# KiCad board IchnaeaV2.kicad_pcb (continued)
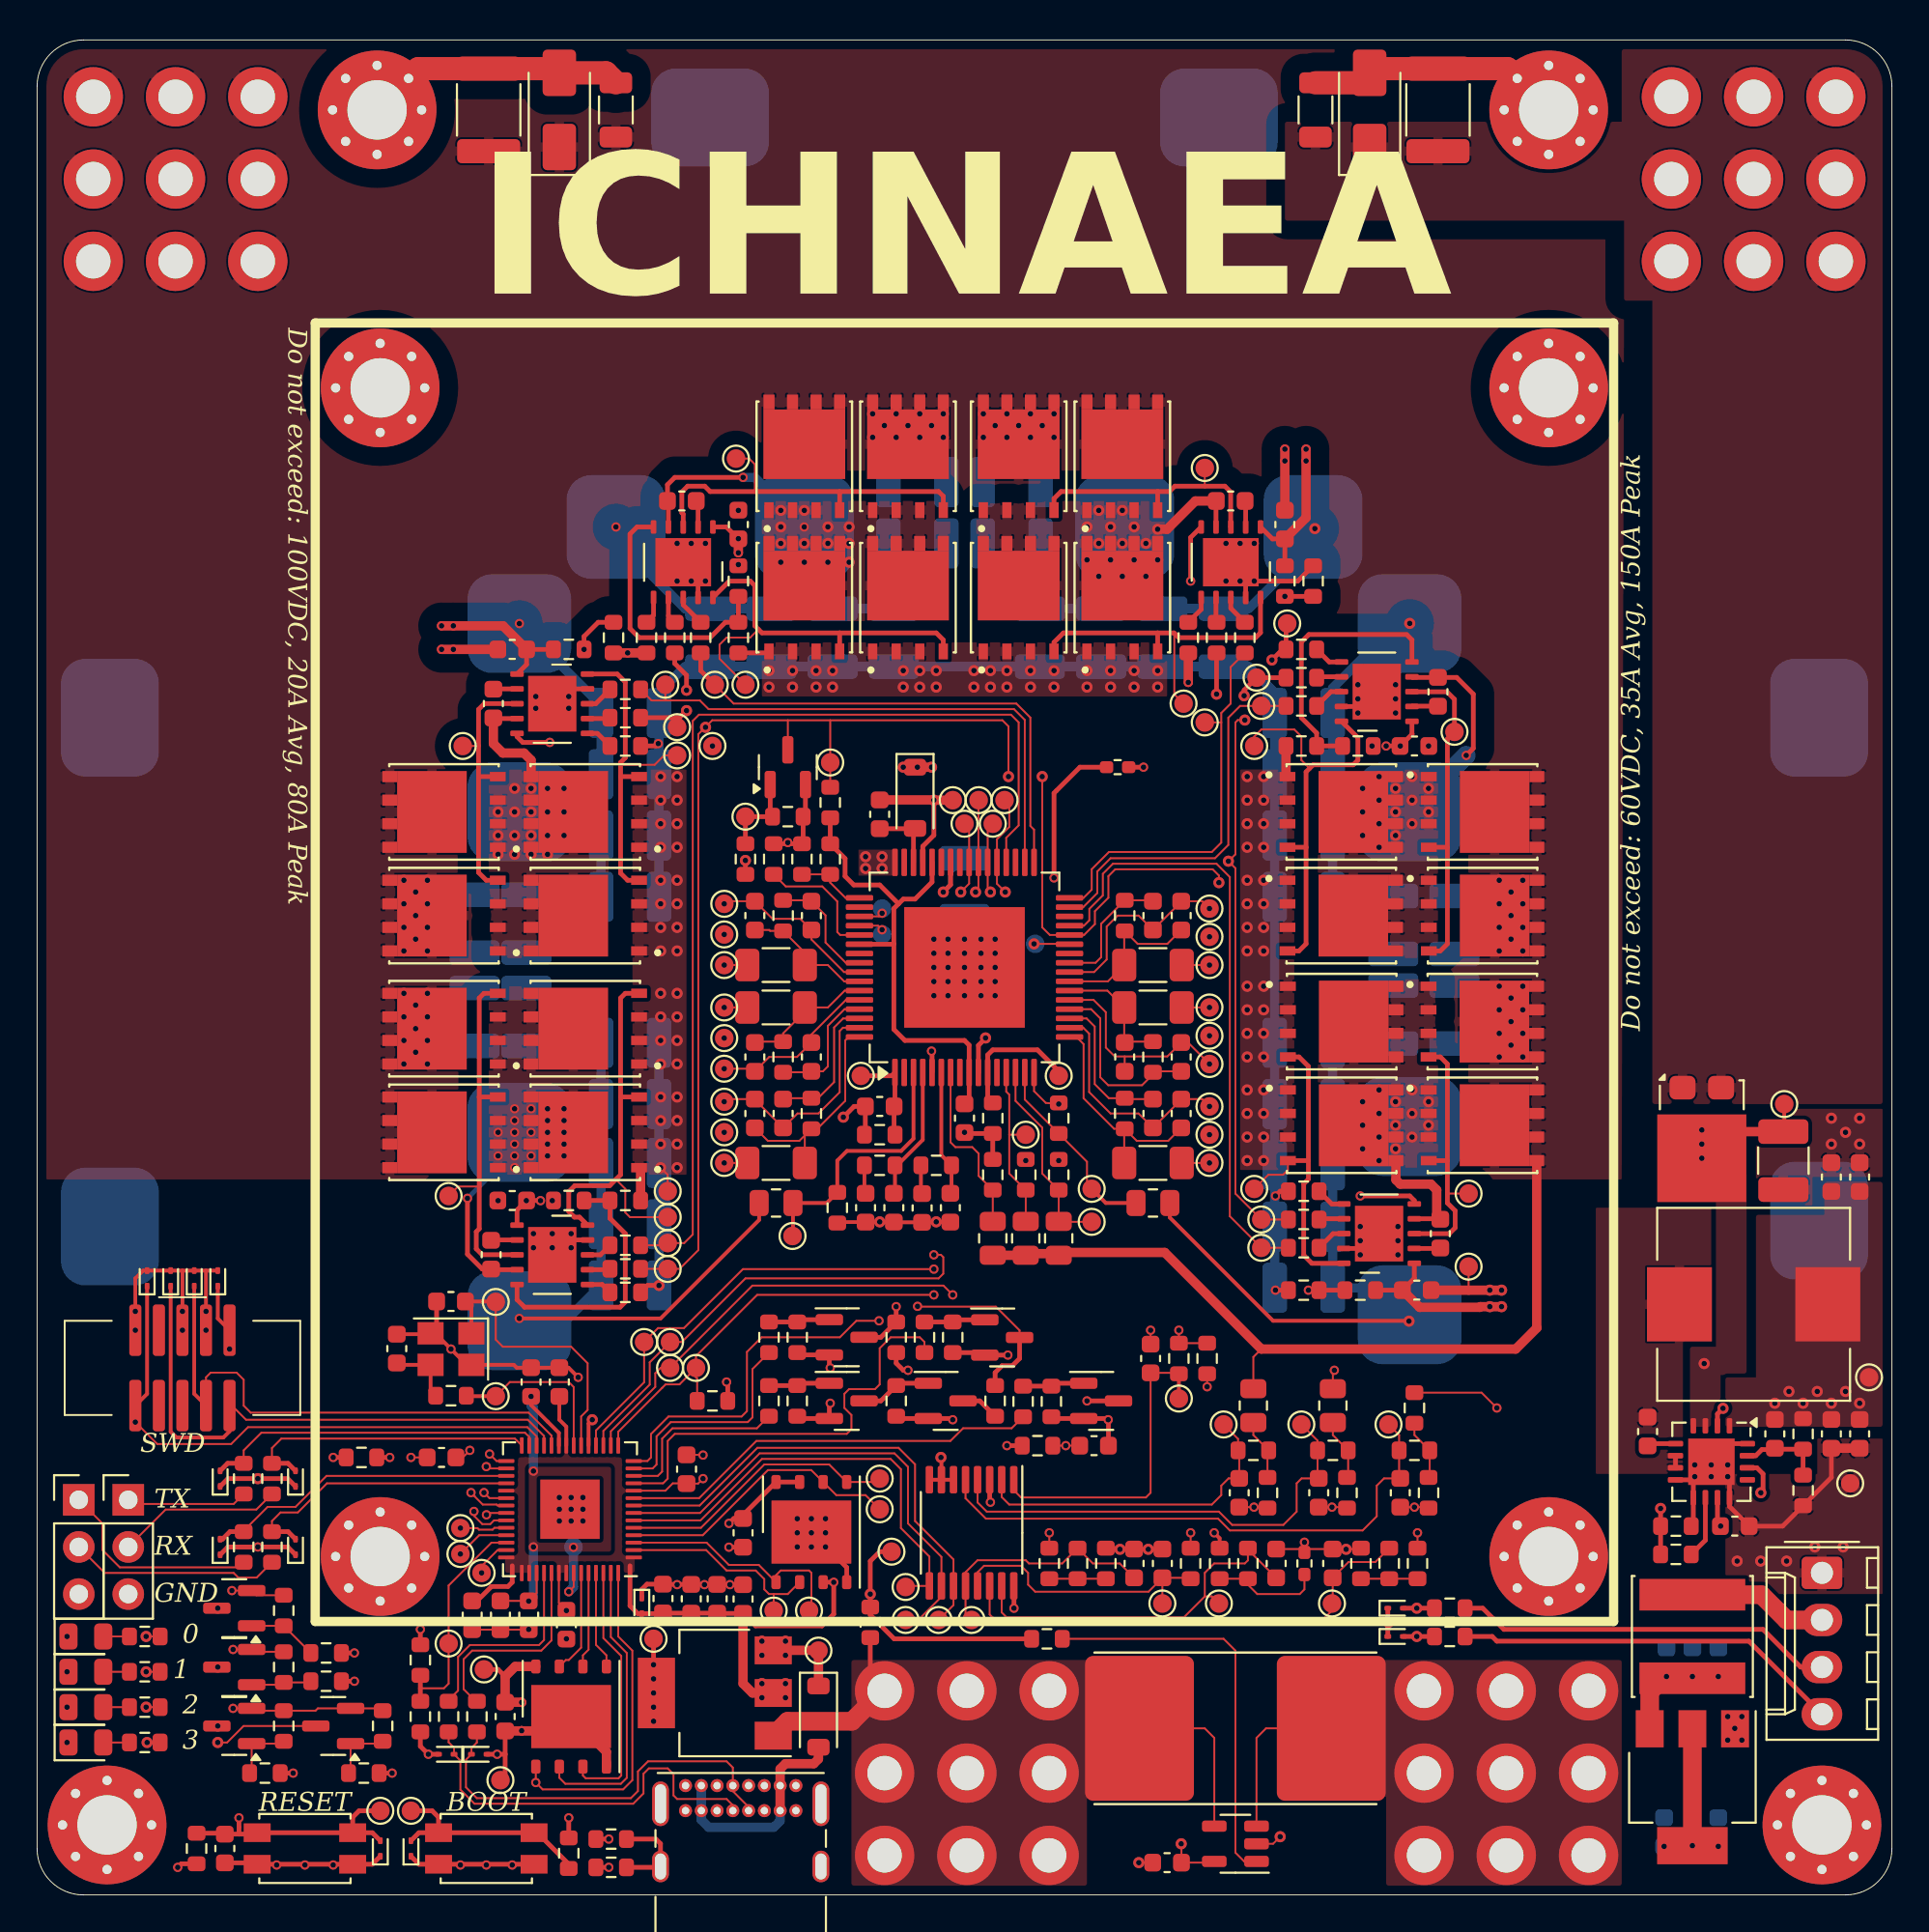
[diagram p0: board, top side]
## Nets (continued)
Net-(D7-K): D7.1 Q33.3
Net-(D8-A): D8.2 R105.2
Net-(D8-K): D8.1 Q34.3
Net-(D16-A2): D16.2 R84.1 SW1.2 TP74.1
Net-(D19-A1): D19.1 P1.A7 P1.B7 R98.2
Net-(D20-A1): D20.1 P1.A6 P1.B6 R99.2
Net-(J5-Pin_3): J5.3 R123.2
Net-(J5-Pin_4): J5.4 R97.1
Net-(J6-Pin_1): J6.1 R100.1
Net-(J6-Pin_2): J6.2 R101.1
Net-(J7-Pin_1): J7.1 R121.1
Net-(J7-Pin_2): J7.2 R122.1
Net-(P1-CC1): P1.A5 R92.2
Net-(P1-CC2): P1.B5 R90.2
Net-(Q1-G): Q1.1 R2.2 R3.1 TP14.1
Net-(Q2-G): Q2.2 Q4.2 TP9.1 U2.3
Net-(Q2-S): C8.2 L1.2 Q2.3 Q3.1 Q4.3 Q5.1 R6.1 TP13.1 U2.4
Net-(Q3-G): Q3.2 Q5.2 TP8.1 U2.10
Net-(Q6-G): Q6.2 Q8.2 TP22.1 U3.3
Net-(Q6-S): C14.2 L2.1 Q6.3 Q7.1 Q8.3 Q9.1 R10.1 TP49.1 U3.4
Net-(Q7-G): Q7.2 Q9.2 TP21.1 U3.10
Net-(Q10-G): Q10.2 Q12.2 TP25.1 U4.3
Net-(Q10-S): C20.2 L3.2 Q10.3 Q11.1 Q12.3 Q13.1 R14.1 TP53.1 U4.4
Net-(Q11-G): Q11.2 Q13.2 TP24.1 U4.10
Net-(Q14-G): Q14.2 Q16.2 TP27.1 U5.3
Net-(Q14-S): C26.2 L4.1 Q14.3 Q15.1 Q16.3 Q17.1 R18.1 TP47.1 U5.4
Net-(Q15-G): Q15.2 Q17.2 TP28.1 U5.10
Net-(Q18-G): Q18.2 Q20.2 TP33.1 U6.3
Net-(Q18-S): C32.2 L5.2 Q18.3 Q19.1 Q20.3 Q21.1 R22.1 TP44.1 U6.4
Net-(Q19-G): Q19.2 Q21.2 TP34.1 U6.10
Net-(Q22-G): Q22.2 Q24.2 TP36.1 U7.3
Net-(Q22-S): C38.2 L6.1 Q22.3 Q23.1 Q24.3 Q25.1 R26.1 TP40.1 U7.4
Net-(Q23-G): Q23.2 Q25.2 TP35.1 U7.10
Net-(Q26-D): Q26.3 Q27.1 R44.1
Net-(Q26-G): Q26.1 R41.1 R43.2
Net-(Q27-D): Q27.3 R46.1
Net-(Q28-G): Q28.1 R42.1 R45.2
Net-(Q29-G): Q29.1 R49.1 R50.2
Net-(Q30-G): Q30.1 R83.1 R86.2
Net-(Q31-G): Q31.1 R128.1 R129.2
Net-(Q32-G): Q32.1 R126.1 R127.2
Net-(Q33-G): Q33.1 R124.1 R125.2
Net-(Q34-G): Q34.1 R94.1 R106.2
Net-(R77-Pad1): R77.1 R88.1 TH1.1
Net-(R78-Pad1): R78.1 R79.2 R91.1
Net-(R80-Pad1): R80.1 R87.1 TH2.1
Net-(R107-Pad1): R81.1 R82.2 R107.1
Net-(R108-Pad1): R108.1 R109.1 R110.2
Net-(R111-Pad1): R111.1 R112.2 R113.1
Net-(R114-Pad2): R114.2 R115.2 R117.1
Net-(R131-Pad2): R131.2 U15.1
Net-(U2-EN): R4.1 U2.7
Net-(U2-HB): C8.1 U2.2
Net-(U2-PWM): R74.1 U2.8
Net-(U2-RDT): R5.2 U2.6
Net-(U2-VREF): R75.2 R76.1 U2.5
Net-(U3-EN): R8.1 U3.7
Net-(U3-HB): C14.1 U3.2
Net-(U3-PWM): R71.1 U3.8
Net-(U3-RDT): R9.2 U3.6
Net-(U3-VREF): R72.2 R73.1 U3.5
Net-(U4-EN): R12.1 U4.7
Net-(U4-HB): C20.1 U4.2
Net-(U4-PWM): R68.1 U4.8
Net-(U4-RDT): R13.2 U4.6
Net-(U4-VREF): R69.2 R70.1 U4.5
Net-(U5-EN): R16.1 U5.7
Net-(U5-HB): C26.1 U5.2
Net-(U5-PWM): R20.1 U5.8
Net-(U5-RDT): R17.2 U5.6
Net-(U5-VREF): R66.2 R67.1 U5.5
Net-(U6-EN): R62.1 U6.7
Net-(U6-HB): C32.1 U6.2
Net-(U6-PWM): R63.1 U6.8
Net-(U6-RDT): R21.2 U6.6
Net-(U6-VREF): R64.2 R65.1 U6.5
Net-(U7-EN): R56.1 U7.7
Net-(U7-HB): C38.1 U7.2
Net-(U7-PWM): R54.1 U7.8
Net-(U7-RDT): R25.2 U7.6
Net-(U7-VREF): R24.1 R61.2 U7.5
Net-(U8-BOOST): C76.1 U8.5
Net-(U8-EN): R58.2 U8.10
Net-(U8-FB): C77.1 R59.1 R60.1 U8.15
Net-(U10-CLK): U10.6 U11.52
Net-(U10-DI(IO0)): U10.5 U11.53
Net-(U10-DO(IO1)): U10.2 U11.55
Net-(U10-IO2): U10.3 U11.54
Net-(U10-IO3): U10.7 U11.51
Net-(U11-XIN): C49.2 TP75.1 U11.20 Y1.1
Net-(U11-XOUT): R95.2 TP76.1 U11.21
Net-(U12-VI): C90.1 C105.1 C106.1 L8.2 U12.3

Pads without a net: J4 4 7 8; P1 A8 B8; U1 2 8 12 26 30 35 41 43 47 50 55; U8 13

## Via types
v1: diameter 0.6, hole 0.3, Top to Bottom, 414 vias
v2: diameter 0.5, hole 0.3, Top to Bottom, 205 vias

## Routing (per net, layer and track width the routed paths; a pad name or vN(x,y) marks a point on that pad's centre or on a via; arc(x,y) is an arc through that point)
1V1_MON: length 15
  Top w0.1: C102.1 62.14,17.09 R116.2 ; C102.1 TP95.1 ; C102.1 59.92,16.34 53.81,16.34 53.43,16.73 53.43,17.36 53.05,17.74 51.05,17.74 50.71,17.39 U9.13
3V3_MON: length 13.1
  Top w0.1: C100.1 58.37,17.87 56.92,17.87 R108.2 55.27,17.87 53.47,17.87 53.3,18.04 50.7,18.04 50.06,17.39 U9.12 50.06,15.15 TP94.1
5V0_MON: length 26
  Top w0.1: U9.14 51.36,15.12 51.82,14.66 69.14,14.66 69.85,15.37 C101.1 70.7,17.94 72.15,17.94 R113.2
12V_MON: length 30.5
  Top w0.1: TP92.1 73.43,24.79 R117.2 73.43,22.52 C103.1 72.62,22.45 72.22,22.06 72.22,20.41 71.46,19.65 64.31,19.65 63.67,20.28 51.15,20.28 50.06,21.38 U9.5
+1V1: length 52.7
  Top w0.1: C85.1 v2(26.5,15.84) 26.49,15.84 C85.1 ; C85.1 C74.1 ; C85.1 26.93,16.28 U11.45 ; v2(28.66,16.34) 28.93,16.61 U11.50 ; R116.1 v2(62.19,19.52)
  Top w0.2: v1(26.63,26.87) 26.63,26.41 28.13,24.91 U11.23
  In2.Cu w0.1: v2(28.92,18.74) 29.66,18.74 31.7,20.78 46.58,20.78 46.7,20.66 53.68,20.66 53.81,20.54 61.18,20.54 v2(62.19,19.52)
  Bottom w0.5: v2(26.76,22.85) 26.76,26.25 26.63,26.38 v1(26.63,26.87) ; v2(28.92,18.74) 28.92,16.6 v2(28.66,16.34) ; v2(26.5,15.84) 26.76,16.09 v2(26.76,18.76)
+3.3V: length 71
  Top w0.1: v2(35.9,22.44) 35.64,22.17 C91.1 35,22.19 34.27,22.19 33.88,21.79 U11.10 ; v1(5.88,10.12) R104.1 ; R109.2 v2(54.57,19.52) ; C89.1 22.95,23.58 v2(23.33,23.97) ; U11.48 28.13,15.75 C86.1 ; 28.53,15.34 v2(28.54,15.33) ; v1(5.88,13.93) R102.1 ; v1(5.93,8.22) R105.1 ; v1(5.88,12.03) R103.1
  Top w0.2: D24.1 9.74,31.08 J4.1 ; C88.1 28.16,25.62 28.53,25.24 28.53,24.23
  Top w0.25: TP65.1 v1(33.24,12.41) ; v2(37.17,27.65) 37.24,27.58 R85.2 ; 25.23,11.77 24.85,12.15 TP71.1 ; U14.3 42.94,16.86 v2(42.95,16.85) 42.95,15.14 42.32,14.5 38.73,14.5 C95.1 36.68,15.18 C109.1 C110.1 33.76,15.19 C87.1 33.71,15.16 D18.2 32.39,15.16 31.97,15.58 31.97,17.74 ; C94.1 23.72,15.85 24.5,16.62 25.39,16.62 25.62,16.85 25.62,17.74 ; v2(37.3,20.03) 37.57,20.29 C111.1 38.06,20.48 U14.8 U14.7 ; v2(7.58,1.49) 7.77,1.68 8.6,1.68 ; R96.2 v2(19.01,23.58) ; R118.1 v2(20.66,14.31)
  Top w0.5: C95.1 38.06,11.39 38.57,10.88 U13.2 ; v2(26.12,10.38) 26.11,10.39 C29.1 25.23,11.77 25.78,12.31 U10.8
  In2.Cu w0.1: v2(42.95,16.85) 42.95,18.19 44.92,20.16 53.94,20.16 v2(54.57,19.52)
  vias: v1(10.38,29.43) v1(33.24,11.65) v1(33.24,10.88) v1(33.24,10.12) v1(33.24,9.36) v1(39.08,11.39) v1(39.08,10.63) v1(40.35,11.39) v1(40.35,10.63)
+5V: length 24.6
  Top w0.1: R111.2 v2(74.42,19.52) ; U15.5 63.4,1.74 C92.1 61.7,2.74 v1(61.68,2.76) ; R77.2 v2(63.08,27.39)
  Top w0.2: R80.2 63.75,19.23 v2(63.46,19.52)
  Top w0.25: v2(49.37,25.62) 49.3,25.68 Q27.2 46.44,25.68 46.32,25.81 ; v2(52.67,15.46) 52.67,16.65 U9.16 ; R51.2 46.32,28.66 46.7,28.28 v2(46.95,28.28)
  Top w0.5: U13.3 42.11,13.18 TP66.1 D4.1
  Top w1: v1(89.24,2.65) U12.2
  Bottom w0.5: v1(90.64,2.62) C107.1 v1(87.72,2.62)
  vias: v1(39.08,13.68) v1(39.08,12.92) v1(40.35,13.68) v1(40.35,12.92)
+12V: length 69.1
  Top w0.1: v2(78.7,26.25) 77.88,27.08 R114.1
  Top w0.25: R64.1 C30.1 26.39,66.33 U6.1 ; R69.1 C18.1 66.6,73.1 U4.1 ; R72.1 v2(71.97,61.94) ; R75.1 C6.1 74.25,33.24 U2.1 ; C24.1 37.16,73.74 U5.1 ; v2(72.73,61.94) C12.1 v2(73.5,61.94) 74.13,62.57 74.12,62.58 U3.1 ; v2(27.78,37.43) 27.78,37.44 R61.1 ; U7.1 25.88,36.92 26.38,37.42 v2(26.38,37.43) 26.38,37.43 C36.1 27.13,37.44 v2(27.14,37.43)
  Top w0.5: v2(21.81,68.42) v2(22.44,68.42) 25.12,68.42 C30.1 ; C6.1 74.53,31.68 77.78,31.68 77.81,31.71 v1(78.32,31.71) v1(78.96,31.71) 78.92,31.68 ; v2(37.81,71.72) R66.1 ; v2(68.41,77.94) v2(68.41,77.31) 68.41,74.24 C18.1 ; v2(37.81,72.35) C24.1 v2(37.81,73.11) ; v1(47.46,60.8) v1(46.7,60.8) ; v1(47.46,60.8) v1(48.22,60.8) ; v1(47.46,60.8) 47.33,60.8 D10.1
  Top w1: J5.2 94.32,14.82 92.96,16.18 L8.1
  In2.Cu w1: v2(37.81,71.72) v2(37.81,72.35) v2(37.81,73.11) 36.66,74.26 36.66,78.7 ; 21.17,36.41 26.12,36.41 v2(27.14,37.43) ; v2(27.78,37.43) v2(27.14,37.43) ; v2(27.14,37.43) v2(26.38,37.43) ; v2(71.97,61.94) v2(72.73,61.94) v2(73.5,61.94) 74.64,63.08 78.7,63.08
  vias: v1(93.69,26.5) v1(94.45,27.14) v1(95.21,26.5) v1(95.97,27.14) v1(96.74,26.5) v1(97.5,27.14) v1(98.26,26.5)
GND: length 364.3
  Top w0.1: v2(10.5,16.41) Q31.2 11.82,16.15 R129.1 ; C92.2 v1(59.4,1.74) ; TH2.2 v2(68.33,19.01) ; TH2.2 68.5,18.64 C101.2 70.56,18.64 v1(70.57,18.63) 70.59,18.64 71.32,18.64 R112.1 ; TH2.2 68.15,18.64 C96.2 ; v2(26.5,14.31) 26.49,14.3 C74.2 C94.2 ; C91.2 35.89,23.72 v2(35.9,23.71) ; v2(10.56,13.23) Q32.2 11.69,13.11 R127.1 ; v1(67.02,3.14) 66.64,2.76 U15.2 ; TP37.1 34,38.82 v1(33.62,39.2) ; 60.03,29.69 v2(60.03,30.44) ; C98.2 70.57,20.9 R79.1 ; TP10.1 77.18,32.6 ; v2(10.56,10.06) Q33.2 11.69,9.93 15.01,9.93 15.14,10.06 Q34.2 18.51,10.06 18.63,9.93 ; C99.2 v2(65.61,20.9) 66.29,20.9 R82.1 ; C103.2 74.97,20.9 R115.1 ; U15.4 63.47,8.47 62.95,8.98 R130.1 ; R38.1 v1(55.08,42.63) 54.38,42.7 53.75,43.33 U1.16 ; 21.03,23.58 v2(20.16,23.58)
  Top w0.2: v2(29.17,27.9) 28.65,28.42 C88.2 C84.2 25.88,28.42 25.87,28.41 25.7,28.58 Y1.4 23.16,28.58 v2(22.31,29.43) 21.46,30.28 Y1.2 21.16,30.23 C52.1 19.44,30.28 ; 7.84,33.66 D3.2 9.11,33.66 ; 7.84,33.66 v1(7.84,31.46) ; 7.84,33.66 D21.2 D2.2 5.72,33.66 5.3,33.24 v1(5.3,31.46) ; R110.1 58.32,18.69 v1(58.38,18.63) 58.44,18.69 59.09,18.69 C100.2 59.89,18.64 v1(59.91,18.63) 59.92,18.64 C102.2 ; C67.2 48.49,36.27 v1(48.48,36.28) 48.46,36.27 47.73,36.27 C69.2 46.2,36.26 C68.2 45.44,36.27 v1(45.43,36.28) 45.41,36.27 C70.2 43.19,36.27 R32.1 ; U9.7 48.76,23.56 v1(48.73,23.58) ; U9.7 U9.8 ; U9.7 U9.6 ; D24.2 9.11,33.66 ; 9.11,33.66 v1(9.11,31.46) ; U11.19 29.73,25.42 v1(29.93,25.62)
  Top w0.25: 28.58,35.31 28.16,34.89 v2(27.78,34.89) U7.11 28.58,35.31 ; 28.58,35.31 v2(28.79,35.65) ; 28.58,35.31 U7.9 ; 89.29,22.38 U8.9 89.29,20 R57.2 ; 89.29,22.38 U8.8 ; 89.29,22.38 89.37,22.45 v1(89.37,22.55) 89.47,22.55 90.1,23.18 v1(90.26,23.18) 90.26,23.34 U8.17 ; U6.9 28.58,65.02 U6.11 ; U8.17 91.07,22.55 v1(91.15,22.55) 91.15,22.47 91.24,22.38 U8.12 91.24,20.94 C75.2 94.11,19.88 96.74,22.5 C78.2 ; U8.17 91.24,24.33 U8.16 ; v1(43.47,41.93) 44.05,42.51 C66.2 44.65,41.03 R93.1 ; R70.2 67.97,70.83 v2(65.62,70.83) ; C23.2 11.79,1.73 SW2.1 12.88,1.65 v2(12.92,1.61) 12.95,1.65 14.4,1.65 v2(14.44,1.61) 14.48,1.65 15.92,1.65 v2(15.96,1.61) 16,1.65 SW2.1 18.07,1.65 D17.1 ; v1(48.35,59.02) 48.35,57.13 47.75,56.53 U1.45 ; C95.2 v2(37.35,16.73) 36.68,16.73 C109.2 35.99,16.74 v2(35.98,16.73) 35.97,16.74 C110.2 34.52,16.74 v2(34.51,16.73) 34.49,16.74 33.76,16.74 C87.2 32.88,16.75 32.6,16.47 D18.1 ; R50.1 41.11,29.11 Q29.2 42.71,28.46 v2(42.76,28.41) ; TP72.1 25.23,6.44 25.23,7.58 ; D19.2 v2(21.09,7.58) 20.66,8.01 20.66,8.79 ; D11.1 13.51,18.76 10.29,18.76 ; Y1.2 21.54,30.6 21.54,31.99 ; R52.1 40.41,56.67 v2(40.47,56.73) 40.54,56.67 R30.1 41.3,56.73 R2.1 41.43,58.25 Q1.2 ; SW1.1 25.66,1.65 v2(25.62,1.61) 25.58,1.65 24.26,1.65 v2(24.22,1.61) 24.18,1.65 22.86,1.65 v2(22.82,1.61) 22.78,1.65 SW1.1 20.58,1.65 D16.1 ; TP23.1 67.34,68.48 R9.1 67.15,67.14 v1(66.57,66.57) ; 10.29,18.76 D9.1 ; 10.29,18.76 v2(11.9,18.76) ; U4.11 65.16,71.04 U4.9 ; v2(66.76,37.68) 67.02,37.94 R5.1 ; v2(48.22,45.49) 48.25,45.46 U1.5 ; 13.93,22.02 13.51,22.44 v1(11.9,22.44) 10.29,22.44 9.87,22.02 ; v2(33.49,62.06) 33.36,61.94 R21.1 ; v2(35.27,70.83) 35.64,71.04 ; 35.64,71.04 U5.9 ; 35.64,71.04 U5.11 ; C3.2 50.05,41.05 R28.1 R40.1 ; 25.23,7.58 C29.2 ; 25.23,7.58 v2(24.8,7.58) D20.2 ; U14.9 v2(41.75,19.52) 41.78,19.52 42.51,18.8 v2(42.51,18.76) 42.55,18.76 43.65,17.65 U14.4 ; R76.2 v2(66.76,32.6) ; v1(33.53,32.86) 32.91,32.86 R25.1 ; U3.11 71.43,64.07 U3.9 ; R90.1 33.56,1.49 P1.S1 33.61,2.76 33.36,3.01 R92.1 ; v2(52.34,29.1) Q28.2 50.96,29.24 R45.1 ; U2.11 71.55,34.85 U2.9 ; C104.2 57.76,25.6 v2(57.75,25.62) 57.68,25.68 Q30.2 54.78,25.68 54.68,25.78 ; R67.2 39.38,66.95 Q15.3 ; 45.56,10.99 44.92,11.64 R132.1 ; v2(37.3,18.75) C111.2 ; 40.98,25.81 41.11,25.68 Q26.2 42.71,26.46 v2(42.76,26.5) ; 72.82,13.93 72.82,14.66 v1(72.86,14.69) 72.82,14.73 72.82,15.46 ; TH1.2 v2(59.65,60.8)
  Top w0.5: C29.2 26.11,8.84 v2(26.12,8.85) 26.14,8.84 28.02,8.84 U10.9 30.7,7.71 U10.4 ; 32.46,39.2 32.54,39.12 R24.2 ; v2(67.27,77.94) v2(67.27,77.31) C18.2 ; R17.1 v2(31.84,66.95) R65.2 ; R73.2 67.34,60.36 Q9.3 ; C6.2 v1(78.32,32.6) v1(78.96,32.6) ; C1.2 48.34,59.03 v1(48.35,59.02) TP5.1 ; R13.1 v2(62.06,65.37) ; C30.2 v2(22.44,67.14) v2(21.81,67.14) ; C79.2 C78.2
  Top w1: U13.1 40.46,9.36 43.93,9.36 45.56,10.99
  Top w1.25: R55.2 71.31,97.69 D23.2 72.07,98.45 GD2.1 79.27,98.45 H7.1 ; R53.2 30.67,98.23 D22.2 27.93,98.45 GD1.1 20.56,98.45 H6.1
  Bottom w0.5: C60.2 C54.2 C48.2 C42.2 C11.2 C43.2 C55.2 C61.2 C17.2 66.73,64.81 65.32,66.22 C62.2 C56.2 C50.2 C44.2 C63.2 C51.2 C45.2 C57.2 34.93,66.22 33.53,64.81 C64.2 33.53,60.38 v1(33.62,60.29) ; v1(33.62,39.2) 33.53,39.12 C41.2 v1(33.53,32.86) ; C65.2 C59.2 C53.2 ; C58.2 C35.2 C46.2
  vias: v1(5.3,30.44) v1(7.84,30.44) v1(9.11,30.44) v1(33.62,59.02) v1(33.62,57.75) v1(33.62,56.48) v1(33.62,54.7) v1(33.62,53.43) v1(33.62,52.16) v1(33.62,50.89) v1(33.62,48.6) v1(33.62,47.33) v1(33.62,46.06) v1(33.62,44.79) v1(33.62,43.02) v1(33.62,41.75) v1(33.62,40.47) v1(34.51,60.29) v1(34.51,59.02) v1(34.51,57.75) v1(34.51,56.48) v1(34.51,54.7) v1(34.51,53.43) v1(34.51,52.16) v1(34.51,50.89) v1(34.51,48.6) v1(34.51,47.33) v1(34.51,46.06) v1(34.51,44.79) v1(34.51,43.02) v1(34.51,41.75) v1(34.51,40.47) v1(34.51,39.2) v1(36.41,61.94) v1(37.05,51.78) v1(37.05,46.19) v1(37.05,41.11) v1(39.46,66) v1(39.46,65.11) v1(40.73,66) v1(40.73,65.11) v1(42,66) v1(42,65.11) v1(42.89,66) v1(42.89,65.11) v1(46.7,66) v1(46.7,65.11) v1(47.59,66) v1(47.59,65.11) v1(48.35,51.52) v1(48.35,50.76) v1(48.35,50) v1(48.35,49.24) v1(48.35,48.48) v1(48.48,66) v1(48.48,65.11) v1(49.11,51.52) v1(49.11,50.76) v1(49.11,50) v1(49.11,49.24) v1(49.11,48.48) v1(50,51.52) v1(50,50.76) v1(50,50) v1(50,49.24) v1(50,48.48) v1(50,41.11) v1(50.51,66) v1(50.51,65.11) v1(50.89,51.52) v1(50.89,50.76) v1(50.89,50) v1(50.89,49.24) v1(50.89,48.48) v1(51.4,66) v1(51.4,65.11) v1(51.65,51.52) v1(51.65,50.76) v1(51.65,50) v1(51.65,49.24) v1(51.65,48.48) v1(52.29,66) v1(52.29,65.11) v1(53.3,39.59) v1(53.56,66) v1(53.56,65.11) v1(54.83,66) v1(54.83,65.11) v1(55.08,39.59) v1(56.6,66) v1(56.6,65.11) v1(57.87,66) v1(57.87,65.11) v1(59.14,66) v1(59.14,65.11) v1(60.41,66) v1(60.41,65.11) v1(63.21,51.65) v1(63.21,46.32) v1(63.21,40.98) v1(65.24,60.29) v1(65.24,59.02) v1(65.24,57.75) v1(65.24,56.48) v1(65.24,54.7) v1(65.24,53.43) v1(65.24,52.16) v1(65.24,50.89) v1(65.24,48.98) v1(65.24,47.71) v1(65.24,46.44) v1(65.24,45.17) v1(65.24,43.4) v1(65.24,42.13) v1(65.24,40.86) v1(65.24,39.59) v1(66.13,60.29) v1(66.13,59.02) v1(66.13,57.75) v1(66.13,56.48) v1(66.13,54.7) v1(66.13,53.43) v1(66.13,52.16) v1(66.13,50.89) v1(66.13,48.98) v1(66.13,47.71) v1(66.13,46.44) v1(66.13,45.17) v1(66.13,43.4) v1(66.13,42.13) v1(66.13,40.86) v1(66.13,39.59) v1(89.37,23.18) v1(90.26,22.55) v1(91.15,23.18) v1(91.15,9.61) v1(91.15,8.34) v1(91.53,8.98) v1(91.66,18) v1(91.91,9.61) v1(91.91,8.34) v1(92.93,18) v1(94.32,18) v1(95.85,18.76) v1(96.74,41.87) v1(96.74,40.47) v1(97.37,18.76) v1(97.5,41.11) v1(98.26,41.87) v1(98.26,40.47) v2(24.85,37.43) v2(26.76,35.65) v2(26.76,34.89) v2(26.89,64.61) v2(26.89,63.97) v2(27.78,35.65) v2(28.16,21.43) v2(28.16,20.79) v2(28.16,20.16) v2(28.54,13.81) v2(28.66,64.61) v2(28.66,63.97) v2(28.79,34.89) v2(28.79,21.43) v2(28.79,20.79) v2(28.79,20.16) v2(29.43,21.43) v2(29.43,20.79) v2(29.43,20.16) v2(34.51,72.86) v2(34.51,70.83) v2(35.27,72.86) v2(36.03,72.86) v2(36.03,70.83) v2(37.81,74.64) v2(40.98,20.28) v2(40.98,19.52) v2(40.98,18.76) v2(41.75,20.28) v2(41.75,18.76) v2(42.51,20.28) v2(42.51,19.52) v2(64.1,72.86) v2(64.1,70.83) v2(64.86,72.86) v2(64.86,70.83) v2(65.62,72.86) v2(69.81,20.9) v2(71.21,65.24) v2(71.21,64.48) v2(71.21,63.72) v2(71.34,36.03) v2(71.34,35.27) v2(71.34,34.51) v2(73.24,65.24) v2(73.24,64.48) v2(73.24,63.72) v2(73.37,36.03) v2(73.37,35.27) v2(73.37,34.51) v2(74.26,20.9) v2(75.02,61.94)
GNDBATT: length 9
  Top w0.1: 69.78,8.98 66.26,8.98 65.74,8.47 U15.3
+5P: length 26.7
  Top w0.25: C3.1 50.25,42.9 U1.9 50.25,45.81 50,46.06 46.79,46.06 46.19,46.66 46.19,51.27 ; 46.19,51.27 46.17,51.25 U1.54 ; 46.19,51.27 46.19,53.17 46.44,53.43 ; 46.44,53.43 46.7,53.68 47.33,53.68 48.25,54.6 U1.44 ; 46.44,53.43 45.43,54.44 44.03,54.44 43.56,54.92 43.56,55.87 R29.2 R1.2
/ControlStage/CTL_IN_ADC_IBATT_SENSE: length 37.2
  Top w0.1: v1(23.97,17.36) 23.97,17.72 24.83,18.59 U11.41
  Top w0.25: R131.1 46.21,13.81 44.92,15.09 v1(44.92,16.22) 44.92,18 45.43,18.5 TP67.1
  In2.Cu w0.1: v1(23.97,17.36) 32.22,17.36 33.62,15.96 44.67,15.96 v1(44.92,16.22)
/ControlStage/CTL_LTC_IMON: length 25.7
  Top w0.25: U1.10 50.75,45.8 51.14,46.19 v1(51.14,46.2) ; v2(52.29,24.22) R120.1
  In1.Cu w0.25: v1(51.14,46.2) 51.14,24.73 51.65,24.22 v2(52.29,24.22)
/ControlStage/CTL_LTC_MODE: length 33.2
  Top w0.1: v2(47.47,31.73) 47.49,31.71 51.69,31.71 52.97,30.43 Q28.3 ; v2(45.56,52.92) 45.38,52.75 U1.51
  Top w0.25: Q28.3 52.97,28.92 52.58,28.53 52.02,28.53 51.65,28.16 51.65,27.46
  In2.Cu w0.1: v2(47.47,31.73) 47.25,31.95 47.25,51.22 v2(45.56,52.92)
/ControlStage/CTL_LTC_PWM_EN: length 50.2
  Top w0.1: U11.14 32.9,23.39 33.1,23.58 33.1,24.85 34.04,25.79 37.98,25.79 38.27,26.08 38.27,29.27 39.06,30.06 43.28,30.06 44.17,30.95 v2(45.39,30.95)
  Top w0.25: R3.2 v1(38.19,55.77)
  In2.Cu w0.1: v2(45.39,30.95) 44.54,31.8 44.54,54.06 42.84,55.77 v1(38.19,55.77)
/ControlStage/CTL_LTC_SYNC: length 25.6
  Top w0.1: v2(45.56,52.03) 45.34,52.25 U1.52
  Top w0.25: Q29.3 45.49,30.06 R51.1 v2(46.32,31.71)
  In2.Cu w0.1: v2(46.32,31.71) 46.7,31.71 46.95,31.97 46.95,50.64 v2(45.56,52.03)
/ControlStage/CTL_OUT_RUN: length 30.8
  Top w0.1: v1(53.75,51.27) 55.64,51.27 U1.27
  Top w0.25: Q30.3 v2(56.6,26.63)
  In2.Cu w0.1: v1(53.75,51.27) 53.81,51.21 53.81,39.86 53.85,39.81 53.85,39.36 53.81,39.32 53.81,27.14 54.32,26.63 v2(56.6,26.63)
/ControlStage/QSPI_SS: length 22.2
  Top w0.1: 31.33,17.35 31.33,13.93 32.09,13.17 32.09,6.19 31.6,5.69 27.25,5.69 v2(26.89,6.06) U10.1
  Top w0.25: R84.2 v2(28.66,4.15)
  In2.Cu w0.25: v2(26.89,6.06) 27.27,5.68 28.28,5.68 28.66,5.3 v2(28.66,4.15)
/ControlStage/SPI0_CSn: length 13.1
  Top w0.1: U11.3 36.1,18.99 37.3,17.79 38.91,17.79 U14.1 39.84,17.24 40.09,17.49 41.62,17.49 41.75,17.36 41.75,15.46 TP77.1
/ControlStage/SPI0_RX: length 11.4
  Top w0.1: 39.71,16.22 39.46,16.22 39.21,16.47 39.21,17.03 38.74,17.49 37.17,17.49 36.07,18.59 U11.2 ; 39.71,16.22 TP80.1 ; 39.71,16.22 40.47,16.22 U14.2
/ControlStage/SPI0_SCK: length 15.6
  Top w0.1: TP78.1 44.67,21.55 43.09,21.55 U14.6 41.74,22.9 39.4,22.9 35.89,19.39 U11.4
/ControlStage/SPI0_TX: length 15.1
  Top w0.1: TP79.1 45.25,22.26 U14.5 42.71,23.2 39.21,23.2 35.79,19.79 U11.5
/ControlStage/SPI1_CSn: length 52.3
  Top w0.1: U11.16 30.93,24.99 33.33,27.39 33.33,28.12 33.62,28.41 TP82.1 38.56,32.85 48.87,32.85 v2(49.37,32.35) ; TP4.1 52.41,58.76 52.41,57.58 51.75,56.91 U1.37 51.75,54.51 v1(52.2,54.06)
  In2.Cu w0.1: v2(49.37,32.35) 49.37,32.86 51.53,35.03 51.53,44.42 53.14,46.02 53.14,53.12 v1(52.2,54.06)
/ControlStage/SPI1_RX: length 51.3
  Top w0.1: TP81.1 34.63,27.52 33.89,27.52 33.69,27.32 ; TP81.1 35.52,27.9 35.59,27.84 R85.1 ; TP81.1 35.52,29.05 38.82,32.35 v2(48.35,32.35) ; 31.33,24.23 31.33,24.97 33.69,27.32 ; 33.69,27.32 33.71,27.35 ; TP3.1 51.25,57.47 U1.38 51.25,54.21 v1(51.4,54.06)
  In2.Cu w0.1: v2(48.35,32.35) 51.24,35.23 51.24,44.54 52.84,46.15 52.84,53 52.32,53.51 51.95,53.51 v1(51.4,54.06)
/ControlStage/SPI1_SCK: length 52.1
  Top w0.1: v1(49.8,54.06) 50.25,54.52 U1.40 50.25,57.5 TP1.1 ; 30.53,24.23 30.53,25.01 33.03,27.51 33.03,28.71 TP83.1 34.76,29.81 38.19,33.24 48.6,33.24 48.86,33.49 48.86,34.38 48.73,34.51 v2(48.35,34.51)
  In2.Cu w0.1: v2(48.35,34.51) 49.24,34.51 50.63,35.9 50.63,44.92 52.2,46.49 52.2,52.71 52,52.91 51.32,52.91 50.72,53.51 50.3,53.51 49.8,54.01 v1(49.8,54.06)
/ControlStage/SPI1_TX: length 52.6
  Top w0.1: TP2.1 50.75,59 U1.39 50.75,54.22 v1(50.6,54.06) ; U11.18 30.13,25.04 32.73,27.64 TP84.1 33.48,30.56 34.88,30.56 38.05,33.74 v2(48.35,33.74)
  In2.Cu w0.1: v1(50.6,54.06) 51.45,53.21 52.12,53.21 52.54,52.79 52.54,46.27 50.94,44.67 50.94,35.57 49.1,33.74 v2(48.35,33.74)
/PowerStage/ExtVCC: length 129.6
  Top w0.2: TP18.1 94.2,41.2 C2.1
  Top w0.25: U1.42 49.25,54.46 v1(48.86,54.06) ; 87.59,20.9 v1(87.53,20.83) 87.53,18.36
  Top w0.5: v1(89.75,39.71) 91.19,41.15 C2.1
  In1.Cu w0.25: v1(87.53,20.83) 87.53,27.95 88.23,28.64 v1(89.88,28.64)
  In1.Cu w0.5: v1(48.86,54.06) 48.86,54.57 50.25,55.97
  In1.Cu w1: v1(89.75,39.71) v1(89.75,40.47) v1(89.75,41.24) 89.75,80.23 83.78,86.19 65.75,86.19 49.51,69.95 49.51,61.8 50.25,61.05 50.25,55.97
  Bottom w0.25: C5.1 49.24,55.12 49.24,54.44 v1(48.86,54.06)
/PowerStage/Phase1/PWM: length 33.5
  Top w0.1: U1.29 56.44,52.25 56.73,52.54 56.73,53.16 57.46,53.88 57.46,55.05 58,55.59 63.59,55.59 64.31,54.87 64.31,36.58 TP7.1 R74.2
/PowerStage/Phase1/PWMEN: length 126.1
  Top w0.1: 40.47,63.32 36.4,63.32 35.65,62.57 35.65,34.76 34.64,33.75 34.01,33.75 TP38.1 33.99,33.75 R56.2 ; 40.47,63.32 Q1.3 ; 40.47,63.32 42.76,63.32 ; v1(52.37,60.29) 52.37,63 52.04,63.32 42.76,63.32 ; v1(54.19,60.29) 54.19,52.16 54.6,51.75 U1.28 56.45,51.75 57.03,52.33 57.03,53.03 57.76,53.76 57.76,54.92 58.13,55.29 63.38,55.29 63.72,54.95 v1(63.72,54.57) ; R4.2 TP6.1 64.6,37.81 64.6,55.35 v1(64.23,55.73) 64.24,55.73 64.6,56.1 64.6,63.21 64.73,63.33 v1(65.11,63.33) ; R1.1 42.76,63.32 ; 34.63,63.46 34.51,63.33 TP30.1
  Top w0.25: R8.2 TP19.1 65.08,64.95 v1(65.08,64.65) ; R16.2 34.38,66.38 35.01,65.75 v1(35.01,64.94) ; v1(35.01,63.84) 34.63,63.46 R62.2 ; R12.2 v1(63.59,64.73)
  In2.Cu w0.25: v1(63.59,64.73) 64.99,64.73 v1(65.08,64.65) 65.08,63.37 v1(65.11,63.33) ; v1(63.72,54.57) 63.72,55.21 v1(64.23,55.73) ; v1(36.04,62.95) 35.91,62.95 v1(35.01,63.84) v1(35.01,64.94) ; v1(54.19,60.29) v1(52.37,60.29)
/PowerStage/Phase1/SNSA+: length 12.2
  Top w0.1: R7.2 58.61,41.28 R6.2 ; R7.2 58.06,41.3 56.42,42.94 56.42,45.87 56.04,46.25 U1.17 ; R7.2 59.29,40.65 60.98,40.65 C9.2 61.7,41.36
/PowerStage/Phase1/SNSD+: length 8.1
  Top w0.1: 60.16,42.9 58.69,42.9 R7.1 57.78,42.95 57.02,43.71 57.02,46.81 56.58,47.25 U1.19
/PowerStage/Phase2/PWM: length 20.9
  Top w0.1: R71.2 64.86,64.1 64.22,63.46 64.22,56.6 63.51,55.89 57.88,55.89 57.16,55.17 57.16,54.01 56.4,53.25 U1.31
/PowerStage/Phase2/SNSA+: length 6.8
  Top w0.1: U1.22 57.7,48.75 R10.2 58.61,45.97 58.64,45.95 58.69,46 R11.2
/PowerStage/Phase2/SNSD+: length 10
  Top w0.1: U1.20 56.82,47.75 57.32,47.25 57.32,44.08 57.75,43.65 59.57,43.65 60.16,44.24 R11.1 60.21,44.4 C16.2
/PowerStage/Phase3/PWM: length 21.7
  Top w0.1: TP26.1 63.84,63.21 ; 63.84,63.21 63.84,56.73 63.34,56.22 57.79,56.22 56.86,55.29 56.86,54.19 56.42,53.75 U1.32 ; 63.84,63.21 63.84,63.72 64.35,64.22 64.35,66.19 R68.2
/PowerStage/Phase3/SNSA+: length 8.8
  Top w0.1: 61.68,52.02 60.93,51.27 59.34,51.27 R15.2 58.61,51.94 R14.2 57.73,49.25 U1.23
/PowerStage/Phase3/SNSD+: length 7
  Top w0.1: C22.2 59.92,53.57 59.87,53.62 R15.1 57.37,52.35 57.37,50.55 57.06,50.25 U1.25
/PowerStage/Phase4/PWM: length 27.7
  Top w0.1: U1.33 53.75,57.43 53.55,57.63 53.55,63.47 52.79,64.22 37.55,64.22 TP31.1
  Top w0.25: R20.2 35.78,66 TP31.1
/PowerStage/Phase4/SNSA+: length 7.2
  Top w0.1: U1.58 43.51,49.25 42.63,50.13 R18.2 41.39,50.8 R19.2 39.52,51.97 39.47,52.02 38.7,52.02
/PowerStage/Phase4/SNSD+: length 6.4
  Top w0.1: U1.56 43.6,50.25 42.51,51.34 42.51,52.81 C28.2 41.69,53.62 R19.1
/PowerStage/Phase5/PWM: length 29.9
  Top w0.1: TP32.1 33.87,64.39 ; 33.87,64.39 35.73,64.39 36.2,63.92 52.67,63.92 53.25,63.34 U1.34 ; 33.87,64.39 33.13,64.39 R63.2
/PowerStage/Phase5/SNSA+: length 7.2
  Top w0.1: 38.7,45.95 38.75,46 R23.2 40.22,46.44 41.39,47.61 R22.2 42.63,47.84 43.54,48.75 U1.59
/PowerStage/Phase5/SNSD+: length 7.1
  Top w0.1: R23.1 41.69,44.35 C34.2 ; U1.61 43.53,47.75 42.63,46.85 42.63,44.67 42.37,44.4 41.49,44.4
/PowerStage/Phase6/PWM: length 56.6
  Top w0.1: 32.66,35.14 R54.2 33.88,35.02 TP39.1 34.89,35.14 35.35,35.6 35.35,63.29 35.68,63.62 52.5,63.62 52.92,63.21 52.92,57.66 52.25,56.99 U1.36
/PowerStage/Phase6/SNSA+: length 12.1
  Top w0.1: R26.2 41.39,40.95 R27.2 ; R27.2 42.06,41.3 43.57,42.81 43.57,46.06 43.76,46.25 U1.64 ; R27.2 41.09,40.65 39.4,40.65 C39.2
/PowerStage/Phase6/SNSD+: length 7.6
  Top w0.1: 40.22,42.9 40.27,42.95 R27.1 42.1,42.95 42.97,43.82 42.97,46.76 43.46,47.25 U1.62
ADC_BOARD_REV: length 12.4
  Top w0.1: U11.40 24.5,18.99 22.19,16.68 TP87.1 22.19,11.39 21.93,11.14 20.66,11.14
  Top w0.25: 20.66,11.84 R119.2
ADC_IMON_FLTR: length 39.1
  Top w0.1: U11.38 24.66,19.79 24.56,19.69 23.83,19.69 23.74,19.77 v2(22.82,19.77) ; C104.1 v2(55.46,24.22) R120.2
  In2.Cu w0.1: v2(22.82,19.77) 24.6,19.77 27.52,22.69 30.7,22.69 31.45,21.94 53.18,21.94 v2(55.46,24.22)
ADC_SEL_0: length 26.4
  Top w0.1: U11.8 35.72,20.99 38.83,24.1 46.44,24.1 47.33,23.21 47.33,20.16 49.41,18.08 U9.11 49.41,15.62 TP68.1
ADC_SEL_1: length 26.6
  Top w0.1: U11.7 35.74,20.59 38.96,23.8 46.22,23.8 46.95,23.08 46.95,20.03 48.76,18.22 U9.10 48.76,16.07 47.5,14.82 TP69.1
ADC_SEL_2: length 24.2
  Top w0.1: U11.6 35.77,20.19 39.08,23.5 46.02,23.5 46.57,22.95 46.57,19.77 48.11,18.24 U9.9 46.88,16.66 TP70.1
ADC_SELECTABLE: length 34.5
  Top w0.1: v2(22.82,18.38) 23.83,19.39 U11.39
  Top w0.25: v2(51.4,21.17) 51.36,21.21 U9.3
  In2.Cu w0.1: v2(51.4,21.17) 30.7,21.17 29.93,21.93 27.65,21.93 24.09,18.38 v2(22.82,18.38)
AP_VCC: length 19
  Top w0.25: v1(92.93,21.68) 93.05,21.8 93.05,22.69 92.72,23.03 U8.14 ; U8.2 90.59,25.93 v1(90.89,26.23) ; C75.1 90.59,20.04 U8.11
  In1.Cu w0.5: v1(92.93,21.68) 92.93,20.67 92.93,20.66 92.93,20.28 92.52,19.88 v1(90.77,19.88) 89.12,19.88 88.48,20.52 88.48,25.98 88.74,26.23 v1(90.89,26.23)